# Altium PCB SOM Board with RK3399.PcbDoc (part 5 of 5)
Units mil, origin at the board's own origin, x right, y up, seen from the top; angles counter-clockwise.
Board outline 2740.16 x 1968.5 mil, 12 copper layers (Top Layer, GND-1, PWR-1, PWR-2, GND-2, L1, GND-3, L2, GND-4, L3, GND-5, Bottom Layer), stack 70.898 mil thick; 567 components, 532 nets, 5770 pads, 0 vias.
Unrouted connection lines stored in the file: 2231.
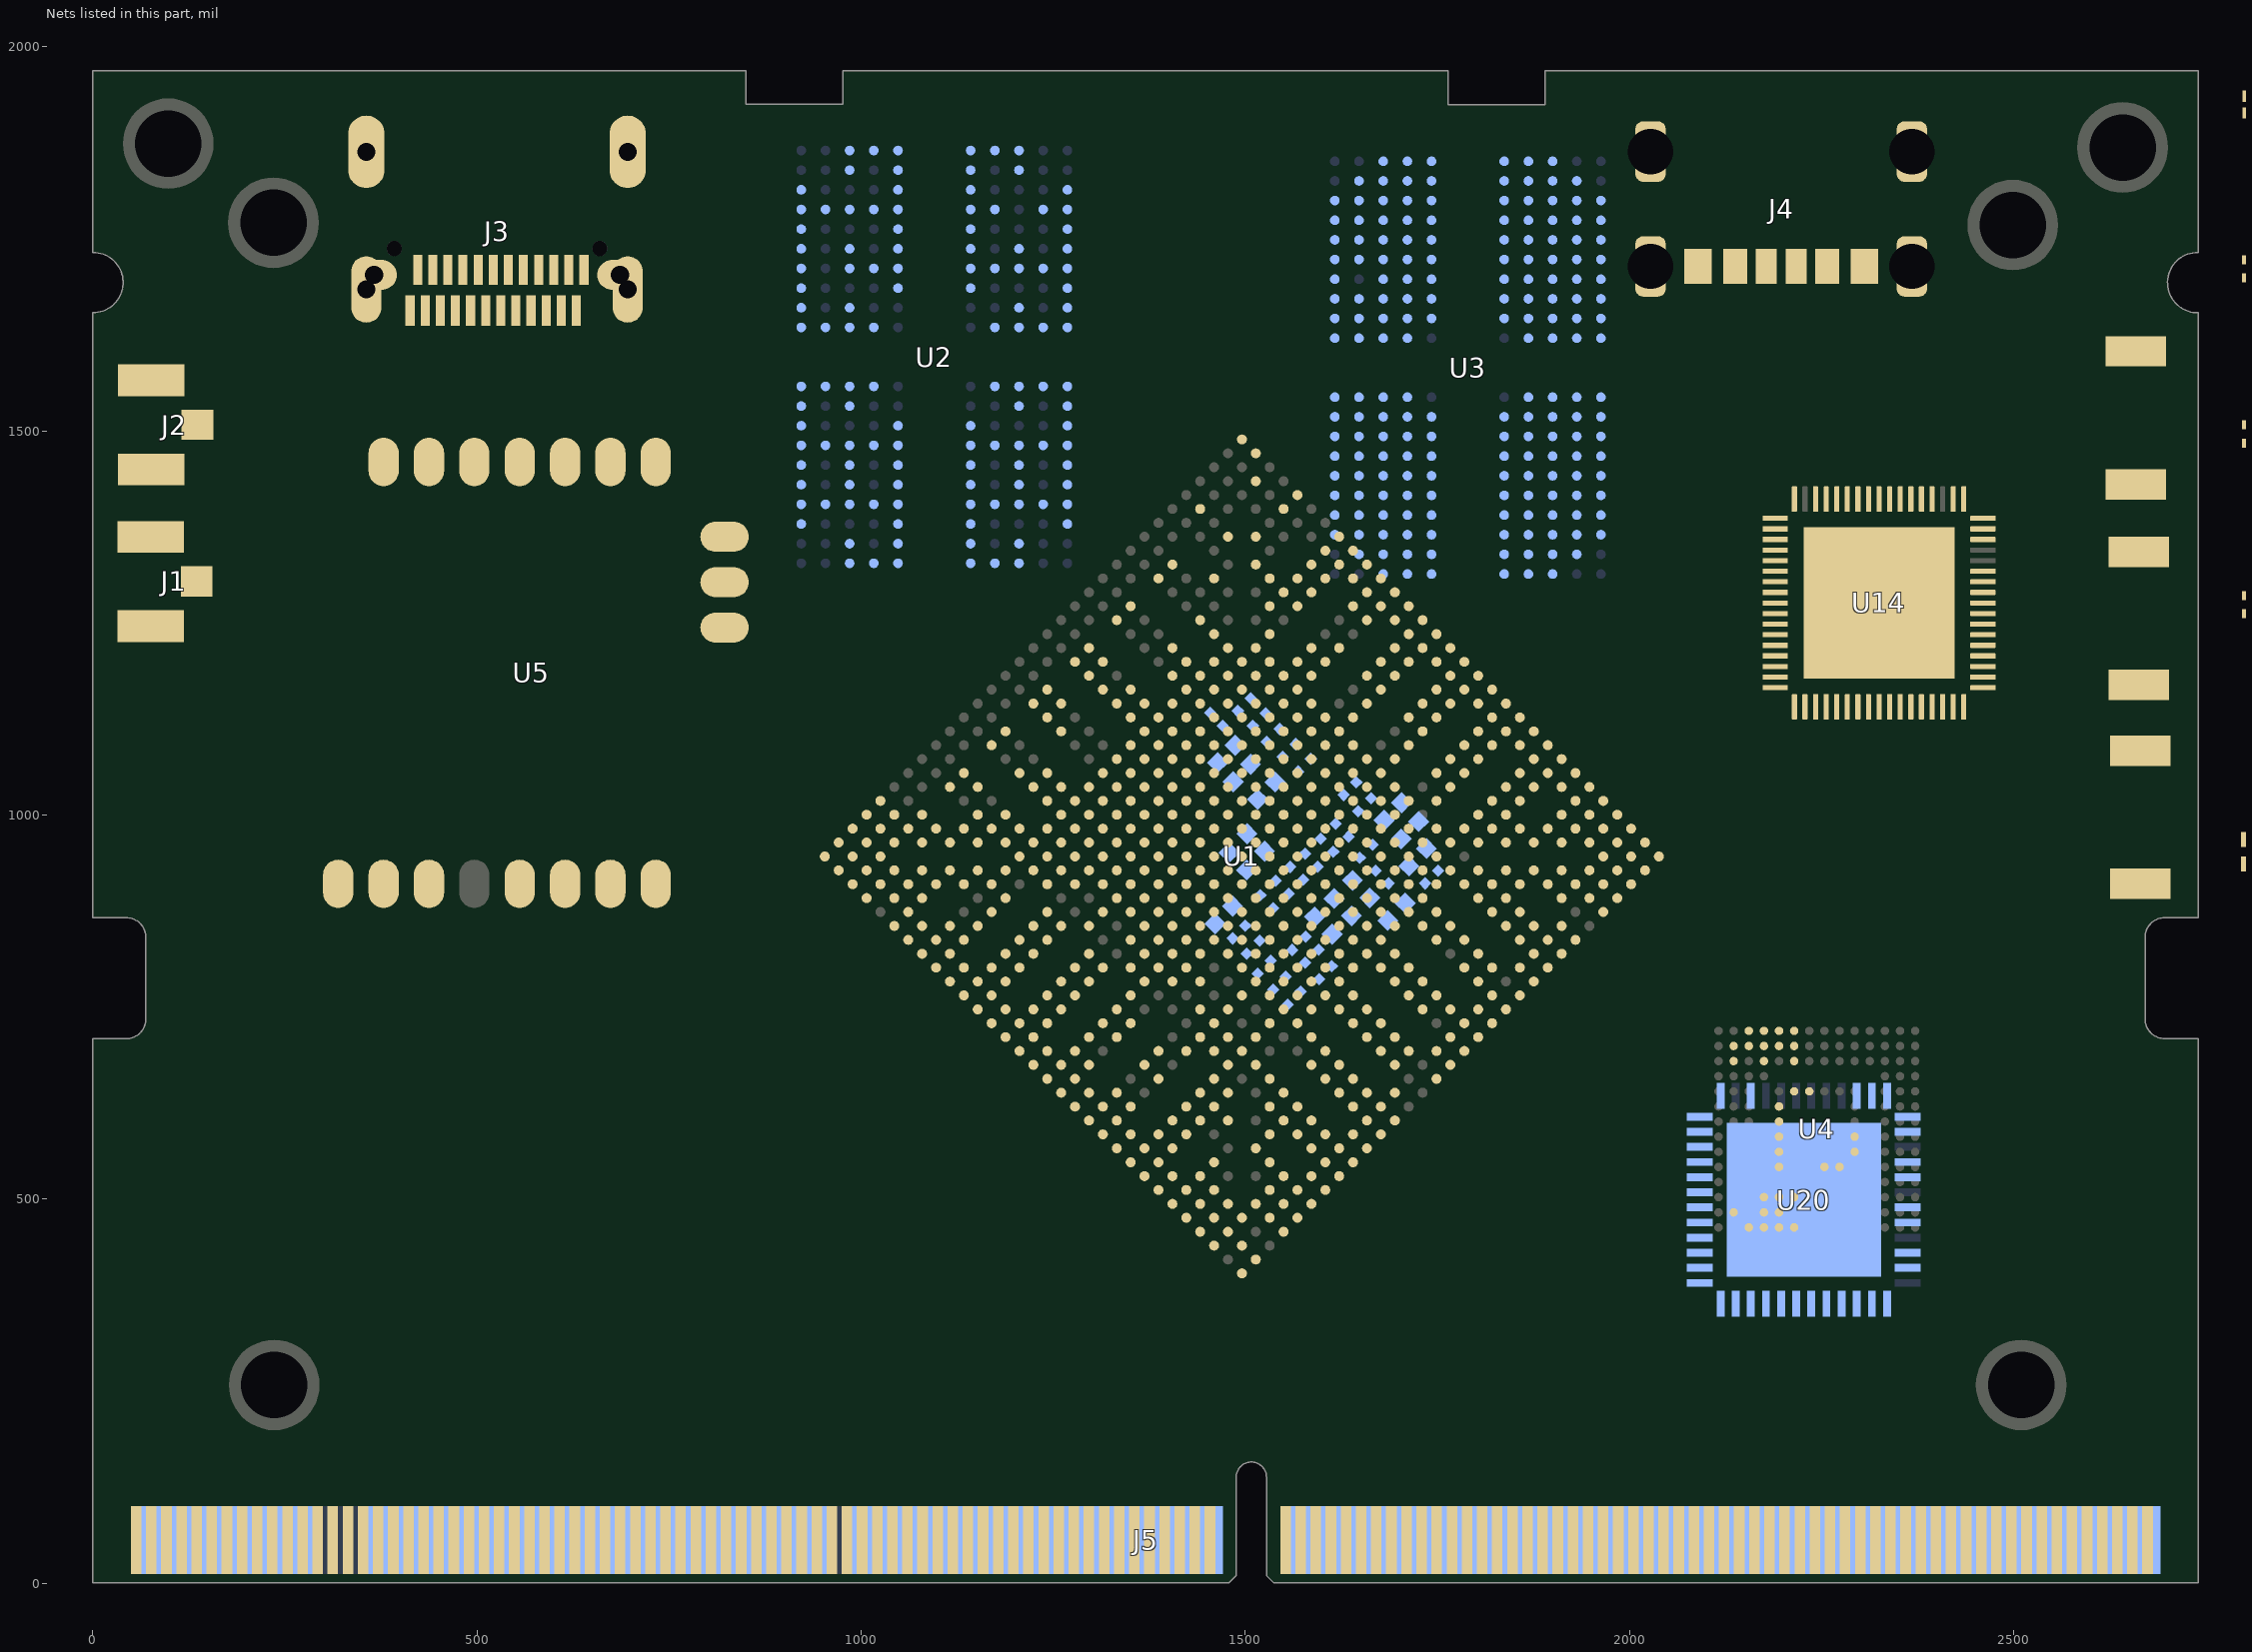
[diagram p12: the nets of this part, all layers, seen from the top]

## Nets (pads, with @x,y where several pads share a name; then routed paths per layer and width w, separated by ;. In a path a pad name is that pad's centre, name@x,y a point inside that pad or via, vN(x,y) a via of type N, cw(c..) or ccw(c..) an arc to the next point about the centre after c; other vN are vias at no path point) (continued)
DDR0_DQS1_P: U1.AC4 U2.D10
DDR0_DQS2_N: U1.V4 U2.V3
DDR0_DQS2_P: U1.U4 U2.W3
DDR0_DQS3_N: U1.R4 U2.V10
DDR0_DQS3_P: U1.P4 U2.W10
DDR0_RST: U1.L7 U2.T11
DDR1_A0: U1.B10 U3.H2 U3.R2
DDR1_A1: U1.A10 U3.J2 U3.P2
DDR1_A2: U1.B9 U3.H9 U3.R9
DDR1_A3: U1.A9 U3.H10 U3.R10
DDR1_A4: U1.B8 U3.H11 U3.R11
DDR1_A5: U1.A8 U3.J11 U3.P11
DDR1_CKE0: U1.A5 U3.J4 U3.P4
DDR1_CKE1: U1.E6 U3.J5 U3.P5
DDR1_CLK1_N: U1.E8 U3.P9
DDR1_CLK1_P: U1.E9 U3.P8
DDR1_CLK_N: U1.D8 U3.J9
DDR1_CLK_P: U1.D9 U3.J8
DDR1_CS0N: U1.F12 U3.H4
DDR1_CS1N: U1.A2 U3.H3
DDR1_CS2N: U1.F11 U3.R4
DDR1_CS3N: U1.B3 U3.R3
DDR1_D0: U1.B15 U3.B2
DDR1_D1: U1.A15 U3.C2
DDR1_D2: U1.B16 U3.E2
DDR1_D3: U1.A16 U3.F2
DDR1_D4: U1.B17 U3.F4
DDR1_D5: U1.A17 U3.E4
DDR1_D6: U1.A18 U3.C4
DDR1_D7: U1.B18 U3.B4
DDR1_D8: U1.B11 U3.B11
DDR1_D9: U1.B12 U3.C11
DDR1_D10: U1.A11 U3.E11
DDR1_D11: U1.B13 U3.F11
DDR1_D12: U1.A12 U3.F9
DDR1_D13: U1.A13 U3.E9
DDR1_D14: U1.A14 U3.C9
DDR1_D15: U1.B14 U3.B9
DDR1_D16: U1.A19 U3.AA2
DDR1_D17: U1.B19 U3.Y2
DDR1_D18: U1.A20 U3.V2
DDR1_D19: U1.B20 U3.U2
DDR1_D20: U1.A21 U3.U4
DDR1_D21: U1.B21 U3.V4
DDR1_D22: U1.B22 U3.Y4
DDR1_D23: U1.A22 U3.AA4
DDR1_D24: U1.A23 U3.AA11
DDR1_D25: U1.B23 U3.Y11
DDR1_D26: U1.A24 U3.V11
DDR1_D27: U1.A25 U3.U11
DDR1_D28: U1.B24 U3.U9
DDR1_D29: U1.A26 U3.V9
DDR1_D30: U1.B25 U3.Y9
DDR1_D31: U1.B26 U3.AA9
DDR1_DM0: U1.E17 U3.C3
DDR1_DM1: U1.E14 U3.C10
DDR1_DM2: U1.E20 U3.Y3
DDR1_DM3: U1.E23 U3.Y10
DDR1_DQS0_N: U1.D17 U3.E3
DDR1_DQS0_P: U1.D18 U3.D3
DDR1_DQS1_N: U1.D14 U3.E10
DDR1_DQS1_P: U1.D15 U3.D10
DDR1_DQS2_N: U1.D20 U3.V3
DDR1_DQS2_P: U1.D21 U3.W3
DDR1_DQS3_N: U1.D23 U3.V10
DDR1_DQS3_P: U1.D24 U3.W10
DDR1_RST: U1.G11 U3.T11
DVDD1V0_RGMII: C341.2 C342.2 R113.2 U20.28 U20.36
DVDD3V3_RGMII: C337.2 C348.2 C349.2 C350.2 R110.2 R111.1 R114.2 R115.2 R116.2 R121.2 R124.2 R126.2 R128.2 R129.2 R130.2 R131.2 U20.15 U20.21 U20.37
EDP_TX0_N: C65.1 J5.249
EDP_TX0_P: C64.1 J5.251
EDP_TX1_N: C67.1 J5.243
EDP_TX1_P: C66.1 J5.245
EDP_TX2_N: C69.1 J5.237
EDP_TX2_P: C68.1 J5.239
EDP_TX3_N: C71.1 J5.231
EDP_TX3_P: C70.1 J5.233
EDPAUX_N: J5.257 U1.A28
EDPAUX_P: J5.255 U1.B28
EFUSE_VQPS_EN_H: U1.AK3 U13.3
EMMC_CLKO: R1.2 U4.M5
EMMC_CMD: U1.J31 U4.M6
EMMC_D0: U1.J28 U4.A3
EMMC_D1: U1.J29 U4.A4
EMMC_D2: U1.J30 U4.A5
EMMC_D3: U1.J25 U4.B2
EMMC_D4: U1.J26 U4.B3
EMMC_D5: U1.J27 U4.B4
EMMC_D6: U1.L31 U4.B5
EMMC_D7: U1.K30 U4.B6
EMMC_RST: C208.2 R50.1 U4.K5
EMMC_STRB: U1.K31 U4.H5
GND: C1.1 C2.1 C3.1 C4.1 C5.1 C6.1 C7.1 C8.1 C9.1 C10.1 C11.1 C12.1 C13.1 C14.1 C15.1 C16.1 C17.1 C18.1 C19.1 C20.1 C21.1 C22.1 C23.1 C24.1 C25.1 C26.1 C27.1 C28.1 C29.1 C30.1 C31.1 C32.1 C33.1 C34.1 C35.1 C36.1 C37.1 C38.1 C39.1 C40.1 C41.1 C42.1 C43.1 C44.1 C45.1 C46.1 C47.1 C48.1 C49.1 C50.1 C51.1 C52.1 C53.1 C54.1 C55.1 C56.1 C57.1 C58.1 C59.1 C60.1 C61.1 C62.1 C63.1 C72.1 C73.1 C74.1 C75.1 C76.2 C77.1 C78.1 C79.2 C80.1 C81.1 C82.1 C83.1 C84.1 C85.1 C86.1 C87.1 C88.1 C89.1 C90.1 C91.1 C92.1 C93.1 C94.1 C95.1 C96.1 C97.1 C98.1 C99.1 C100.1 C101.1 C102.1 C103.1 C104.1 C105.1 C106.1 C107.1 C108.1 C109.1 C110.1 C111.1 C112.1 C113.1 C114.1 C115.1 C116.1 C117.1 C118.1 C119.1 C120.1 C121.1 C122.1 C123.1 C124.1 C125.1 C126.1 C127.1 C128.1 C129.1 C130.1 C131.1 C132.1 C133.1 C134.1 C135.1 C136.1 C137.1 C138.1 C139.1 C140.1 C141.1 C142.1 C143.1 C144.1 C145.1 C146.1 C147.1 C148.1 C149.1 C150.1 C151.1 C152.1 C153.1 C154.1 C155.1 C156.1 C157.1 C158.1 C159.1 C160.1 C161.1 C162.1 C163.1 C164.1 C165.1 C166.1 C167.1 C168.1 C169.1 C170.1 C171.1 C172.1 C173.1 C174.1 C175.1 C176.1 C177.1 C178.1 C179.1 C180.1 C181.1 C182.1 C183.1 C184.1 C185.1 C186.1 C187.1 C188.1 C189.1 C190.1 C191.1 C192.1 C193.1 C194.1 C195.1 C196.1 C197.1 C198.1 C199.1 C200.1 C201.1 C202.1 C203.1 C204.1 C205.1 C206.1 C207.1 C208.1 C209.1 C210.1 C211.1 C212.1 C213.1 C214.1 C215.1 C216.1 C217.1 C218.1 C219.2 C220.1 C221.1 C222.1 C223.1 C224.1 C225.2 C226.1 C227.1 C228.1 C229.1 C230.1 C231.1 C232.1 C233.1 C234.1 C235.1 C236.1 C237.1 C238.1 C239.1 C240.1 C241.1 C242.1 C243.1 C244.1 C245.1 C246.1 C247.1 C248.1 C249.1 C250.1 C251.1 C252.1 C253.1 C254.1 C255.1 C256.1 C257.1 C258.1 C259.1 C260.1 C261.1 C262.1 C263.1 C264.1 C265.1 C266.1 C267.1 C269.1 C270.1 C271.1 C272.1 C273.2 C274.1 C275.1 C276.1 C277.1 C278.1 C279.1 C280.1 C281.1 C282.2 C283.1 C284.1 C285.1 C286.1 C287.1 C288.1 C289.1 C290.1 C291.1 C292.1 C293.1 C294.2 C295.1 C296.1 C297.1 C298.1 C300.1 C301.1 C302.1 C303.1 C309.1 C310.1 C311.1 C313.1 C314.1 C315.1 C316.1 C317.1 C319.1 C320.1 C321.1 C322.1 C323.1 C324.1 C326.1 C327.1 C328.1 C329.1 C330.1 C331.1 C332.1 C333.1 C334.1 C335.1 C336.1 C337.1 C338.1 C339.1 C340.1 C341.1 C342.1 C343.1 C344.1 C345.1 C346.1 C347.1 C348.1 C349.1 C350.1 C351.1 C352.1 C353.1 C354.1 D1.A D2.A D3.A D6.K D7.A J1.1 J1.3 J2.1 J2.3 J3.A1 J3.A12 J3.B1 J3.B12 J3.S1 J3.S2 J3.S3 J3.S4 J4.A12 J4.B12 J4.E1 J4.E2 J4.E3 J4.E4 J5.9 J5.10 J5.11 J5.12 J5.24 J5.32 J5.35 J5.51 J5.64 J5.65 J5.74 J5.83 J5.86 J5.87 J5.92 J5.96 J5.109 J5.110 J5.113 J5.114 J5.119 J5.120 J5.125 J5.126 J5.131 J5.132 J5.137 J5.138 J5.143 J5.144 J5.146 J5.149 J5.152 J5.155 J5.158 J5.161 J5.164 J5.167 J5.170 J5.173 J5.176 J5.179 J5.182 J5.185 J5.188 J5.191 J5.194 J5.197 J5.200 J5.203 J5.206 J5.209 J5.212 J5.217 J5.218 J5.223 J5.224 J5.229 J5.230 J5.235 J5.236 J5.241 J5.242 J5.247 J5.248 J5.253 J5.254 J5.259 J5.260 Q2.2 Q4.2 Q6.2 R3.1 R5.1 R6.2 R7.2 R8.2 R10.2 R12.2 R13.2 R14.2 R15.2 R16.2 R21.2 R22.2 R38.1 R39.1 R40.1 R41.1 R43.1 R47.1 R53.1 R57.1 R59.2 R66.1 R71.1 R72.1 R75.1 R80.1 R88.1 R92.1 R93.1 R95.1 R96.1 R97.1 R102.1 R103.2 R106.1 R109.1 R118.1 R122.1 R123.1 R125.1 R127.1 SW2.1 SW3.1 U1.A1 U1.A27 U1.A31 U1.AA3 U1.AA5 U1.AA9 U1.AA10 U1.AA11 U1.AA12 U1.AA13 U1.AA14 U1.AA15 U1.AA23 U1.AA26 U1.AA29 U1.AB9 U1.AB10 U1.AB11 U1.AB13 U1.AB15 U1.AB16 U1.AB17 U1.AB19 U1.AB23 U1.AC3 U1.AC11 U1.AC13 U1.AC15 U1.AC16 U1.AC17 U1.AC18 U1.AC20 U1.AC21 U1.AC22 U1.AC23 U1.AC25 U1.AC26 U1.AC29 U1.AD3 U1.AD5 U1.AD10 U1.AD13 U1.AD17 U1.AD21 U1.AD22 U1.AD26 U1.AD29 U1.AE11 U1.AE12 U1.AE14 U1.AE17 U1.AE23 U1.AE27 U1.AF9 U1.AF17 U1.AF18 U1.AF20 U1.AF23 U1.AF24 U1.AF29 U1.AG2 U1.AG29 U1.AH29 U1.AJ5 U1.AJ6 U1.AJ8 U1.AJ9 U1.AJ11 U1.AJ12 U1.AJ14 U1.AJ15 U1.AJ17 U1.AJ18 U1.AJ20 U1.AJ21 U1.AJ23 U1.AJ24 U1.AJ26 U1.AJ27 U1.AJ28 U1.AJ29 U1.AL1 U1.AL31 U1.B5 U1.B31 U1.C8 U1.C9 U1.C11 U1.C12 U1.C14 U1.C15 U1.C17 U1.C18 U1.C20 U1.C21 U1.C23 U1.C24 U1.C26 U1.C28 U1.C29 U1.D5 U1.D29 U1.E2 U1.E4 U1.E7 U1.E12 U1.E15 U1.E18 U1.E21 U1.E24 U1.E31 U1.F8 U1.F15 U1.F18 U1.F20 U1.F21 U1.G5 U1.G9 U1.G18 U1.G27 U1.H3 U1.H9 U1.H10 U1.H11 U1.H12 U1.H13 U1.H15 U1.H16 U1.H17 U1.H18 U1.H19 U1.H26 U1.J3 U1.J6 U1.J7 U1.J8 U1.J9 U1.J10 U1.J21 U1.K8 U1.K9 U1.K10 U1.K12 U1.K14 U1.K16 U1.K18 U1.K20 U1.K22 U1.L3 U1.L6 U1.L8 U1.L11 U1.L12 U1.L13 U1.L14 U1.L15 U1.L16 U1.L20 U1.L22 U1.L27 U1.M3 U1.M8 U1.M10 U1.M16 U1.M23 U1.N8 U1.N13 U1.N14 U1.N15 U1.N16 U1.N17 U1.N19 U1.N21 U1.P3 U1.P6 U1.P7 U1.P8 U1.P10 U1.P11 U1.P12 U1.P16 U1.P17 U1.P19 U1.P21 U1.R3 U1.R5 U1.R6 U1.R14 U1.R15 U1.R16 U1.R18 U1.R21 U1.R23 U1.T8 U1.T10 U1.T16 U1.T18 U1.T19 U1.T21 U1.U3 U1.U8 U1.U11 U1.U12 U1.U14 U1.U15 U1.U16 U1.U19 U1.U21 U1.U22 U1.U23 U1.U29 U1.V3 U1.V5 U1.V8 U1.V10 U1.V17 U1.V23 U1.W8 U1.W9 U1.W13 U1.W17 U1.W18 U1.W19 U1.W21 U1.W22 U1.W23 U1.W30 U1.Y3 U1.Y9 U1.Y10 U1.Y11 U1.Y12 U1.Y13 U1.Y14 U1.Y15 U1.Y16 U1.Y17 U1.Y20 U1.Y23 U1.Y29 U2.A3 U2.A10 U2.AB3 U2.AB5 U2.AB8 U2.AB10 U2.C1 U2.C5 U2.C8 U2.C12 U2.D2 U2.D4 U2.D9 U2.D11 U2.E1 U2.E5 U2.E8 U2.E12 U2.G1 U2.G3 U2.G5 U2.G8 U2.G10 U2.G12 U2.J1 U2.J3 U2.J10 U2.J12 U2.K2 U2.K4 U2.K9 U2.K11 U2.N2 U2.N4 U2.N9 U2.N11 U2.P1 U2.P3 U2.P10 U2.P12 U2.T1 U2.T3 U2.T5 U2.T8 U2.T10 U2.T12 U2.V1 U2.V5 U2.V8 U2.V12 U2.W2 U2.W4 U2.W9 U2.W11 U2.Y1 U2.Y5 U2.Y8 U2.Y12 U3.A3 U3.A10 U3.AB3 U3.AB5 U3.AB8 U3.AB10 U3.C1 U3.C5 U3.C8 U3.C12 U3.D2 U3.D4 U3.D9 U3.D11 U3.E1 U3.E5 U3.E8 U3.E12 U3.G1 U3.G3 U3.G5 U3.G8 U3.G10 U3.G12 U3.J1 U3.J3 U3.J10 U3.J12 U3.K2 U3.K4 U3.K9 U3.K11 U3.N2 U3.N4 U3.N9 U3.N11 U3.P1 U3.P3 U3.P10 U3.P12 U3.T1 U3.T3 U3.T5 U3.T8 U3.T10 U3.T12 U3.V1 U3.V5 U3.V8 U3.V12 U3.W2 U3.W4 U3.W9 U3.W11 U3.Y1 U3.Y5 U3.Y8 U3.Y12 U4.A6 U4.C4 U4.E7 U4.G5 U4.H10 U4.J5 U4.K8 U4.N2 U4.N5 U4.P4 U4.P6 U5.5 U5.7 U5.8 U5.10 U5.14 U6.D1 U7.2 U8.2 U8.7 U9.B2 U9.B3 U9.B4 U9.C1 U9.C2 U9.C3 U9.C4 U10.B2 U10.B3 U10.B4 U10.C1 U10.C2 U10.C3 U10.C4 U11.5 U11.7 U12.5 U12.7 U13.2 U14.21 U14.22 U14.27 U14.28 U14.30 U14.38 U14.40 U14.41 U14.46 U14.57 U14.62 U14.64 U14.69 U15.9 U15.15 U16.2 U17.2 U17.10 U18.2 U19.4 U19.6 U20.47 U20.49 Y1.2 Y2.2 Y2.4 Y4.2 Y4.4
GPIO0_A2: J5.37 U1.N24
GPIO0_A6/PWM3A_IR: J5.49 U1.P25
GPIO0_B5/LED1_OUT: R108.1 U1.P24
GPIO1_A0: J5.34 U1.R25
GPIO1_A1: J5.36 U1.T31
GPIO1_A2_CC_INT_L: U1.R26 U15.5
GPIO1_A3: J5.38 U1.R27
GPIO1_A4: J5.40 U1.R28
GPIO1_B5_TP_RST: J5.82 U1.M24
GPIO1_C2: J5.42 U1.N31
GPIO1_C4_TP_INT: J5.84 U1.M29
GPIO1_C6: J5.44 U1.L25
GPIO1_C7: J5.46 U1.M31
GPIO1_D0: J5.48 U1.L26
GPIO2_A2: J5.39 U1.H30
GPIO2_A3: J5.41 U1.F28
GPIO2_A4: J5.43 U1.H29
GPIO2_A5: J5.45 U1.F29
GPIO2_A6: J5.47 U1.H27
GPIO2_B3_CIF_CLKOUTA: J5.111 U1.H31
GPIO4_C0/I2C3_SDA: J5.68 U1.AG6
GPIO4_C1/I2C3_SCL: J5.66 U1.AL2
GPIO4_C5/SPDIF_TX: J5.50 U1.AK1
GPIO4_C6/PWM1: J5.90 U1.AL3
GPIO4_D0_PCB0: R34.1 R38.2 U1.AE6
GPIO4_D1_PCB1: R35.1 R39.2 U1.AK4
GPIO4_D2: U1.AH3 U16.4
GPIO4_D5_LCD_BL_EN: J5.78 R109.2 U1.AJ3
GPIO4_D6_LCD_RST_H: J5.80 U1.AG4
GPU_SLEEP: U1.M25 U10.A1
HDMI_CEC: J5.145 U1.AD7
HDMI_HPD: D1.K J5.147 R5.2 U1.AE15
HDMI_TX0_N: J5.157 U1.AL17
HDMI_TX0_P: J5.159 U1.AK17
HDMI_TX1_N: J5.163 U1.AL18
HDMI_TX1_P: J5.165 U1.AK18
HDMI_TX2_N: J5.169 U1.AL19
HDMI_TX2_P: J5.171 U1.AK19
HDMI_TXCLK_N: J5.151 U1.AL16
HDMI_TXCLK_P: J5.153 U1.AK16
HOST0_D_N: J5.221 U1.AB31
HOST0_D_P: J5.219 U1.AB30
HOST1_D_N: J5.227 U1.AA31
HOST1_D_P: J5.225 U1.AA30
HP_DET_H: J5.76 U1.AH5
I2C1_SCL: J5.53 R37.1 U1.Y6
I2C1_SDA: J5.55 R36.1 U1.AG1
I2C2_SCL: J5.59 R18.1 U1.H25
I2C2_SDA: J5.57 R17.1 U1.G31
I2C4_TPSCL: J5.70 R31.1 U1.P30 U15.6
I2C4_TPSDA: J5.72 R32.1 U1.P31 U15.7
I2C7_SCL_HDMI: J5.61 R19.1 U1.H28
I2C7_SDA_HDMI: J5.63 R20.1 U1.G30
I2C_SCL_PMIC: R30.1 U1.N30 U9.A3 U10.A3 U14.19
I2C_SDA_PMIC: R33.1 U1.M26 U9.B1 U10.B1 U14.18
I2S0_LRCK_RX: J5.69 U1.AF4
I2S0_LRCK_TX: J5.71 U1.AJ2
I2S0_SCLK: J5.67 U1.AG3
I2S0_SDI0: J5.73 U1.Y7
I2S0_SDI1SDO3: J5.75 U1.AE5
I2S0_SDI2SDO2: J5.77 U1.AA6
I2S0_SDI3SDO1: J5.79 U1.AH2
I2S0_SDO0: J5.81 U1.AH1
I2S1_LRCK_RX: J5.91 U1.AA7
I2S1_LRCK_TX: J5.93 U1.AJ1
I2S1_SCLK: J5.89 U1.AF3
I2S1_SDI0: J5.95 U1.AD6
I2S1_SDO0: J5.97 U1.AC6
I2S_CLK: J5.85 U1.AC7
LAN_LED0_AD0: J5.232 R121.1 U20.34
LAN_LED0_AD1: J5.234 R122.2 U20.35
LED2_RXDLY: R127.2 R128.1 U20.32
LOG_DVS_PWM: R68.1 R70.2 U1.M28
MAC_COL: R124.1 U1.D27 U20.33
MAC_CRS: C345.2 R116.1 U1.B27 U20.29
MAC_MCLK: R27.2 R117.1
MAC_MDC: U1.E29 U20.30
MAC_MDIO: R114.1 U1.G26 U20.31
MAC_RXCLK: R119.1 U1.F25
MAC_RXD0: R129.1 U1.E26 U20.14
MAC_RXD1: R125.2 R126.1 U1.F27 U20.16
MAC_RXD2: R130.1 U1.E30 U20.17
MAC_RXD3: R131.1 U1.E25 U20.18
MAC_RXDV: R123.2 U1.C27 U20.13
MAC_RXER: R115.1 U1.F23 U20.20
MAC_TXCLK: R29.2 R120.1
MAC_TXD0: R25.2 U20.23
MAC_TXD1: R26.2 U20.24
MAC_TXD2: R23.2 U20.25
MAC_TXD3: R24.2 U20.26
MAC_TXEN: R28.2 U20.27
MDI0_N: J5.256 U20.2
MDI0_P: J5.258 U20.1
MDI1_N: J5.250 U20.5
MDI1_P: J5.252 U20.4
MDI2_N: J5.244 U20.8
MDI2_P: J5.246 U20.7
MDI3_N: J5.238 U20.11
MDI3_P: J5.240 U20.10
MIPI_CSI0_PWM: J5.101 U1.AF8
MIPI_CSI0_RST: J5.99 U1.AD9
MIPI_CSI1_PWN: J5.105 U1.V26
MIPI_CSI1_RST: J5.103 U1.U28
MIPI_RX0_CLK_N: J5.127 U1.AL13
MIPI_RX0_CLK_P: J5.129 U1.AK13
MIPI_RX0_D0_N: J5.139 U1.AL15
MIPI_RX0_D0_P: J5.141 U1.AK15
MIPI_RX0_D1_N: J5.133 U1.AL14
MIPI_RX0_D1_P: J5.135 U1.AK14
MIPI_RX0_D2_N: J5.121 U1.AL12
MIPI_RX0_D2_P: J5.123 U1.AK12
MIPI_RX0_D3_N: J5.115 U1.AL11
MIPI_RX0_D3_P: J5.117 U1.AK11
MIPI_TX0_CLK_N: J5.160 U1.AH12
MIPI_TX0_CLK_P: J5.162 U1.AG12
MIPI_TX0_D0_N: J5.172 U1.AH15
MIPI_TX0_D0_P: J5.174 U1.AG15
MIPI_TX0_D1_N: J5.166 U1.AH14
MIPI_TX0_D1_P: J5.168 U1.AG14
MIPI_TX0_D2_N: J5.154 U1.AH11
MIPI_TX0_D2_P: J5.156 U1.AG11
MIPI_TX0_D3_N: J5.148 U1.AH9
MIPI_TX0_D3_P: J5.150 U1.AG9
MIPI_TX1/RX1_CLK_N: J5.128 U1.AL8
MIPI_TX1/RX1_CLK_P: J5.130 U1.AK8
MIPI_TX1/RX1_D0_N: J5.116 U1.AL6
MIPI_TX1/RX1_D0_P: J5.118 U1.AK6
MIPI_TX1/RX1_D1_N: J5.122 U1.AL7
MIPI_TX1/RX1_D1_P: J5.124 U1.AK7
MIPI_TX1/RX1_D2_N: J5.134 U1.AL9
MIPI_TX1/RX1_D2_P: J5.136 U1.AK9
MIPI_TX1/RX1_D3_N: J5.140 U1.AL10
MIPI_TX1/RX1_D3_P: J5.142 U1.AK10
NetC60_2: C60.2 R4.1 U1.AH26
NetC64_2: C64.2 U1.B29
NetC65_2: C65.2 U1.A29
NetC66_2: C66.2 U1.B30
NetC67_2: C67.2 U1.A30
NetC68_2: C68.2 U1.C30
NetC69_2: C69.2 U1.C31
NetC70_2: C70.2 U1.D30
NetC71_2: C71.2 U1.D31
NetC212_2: C212.2 U4.C2
NetC241_2: C241.2 R60.1 U9.A2
NetC242_2: C242.2 R62.1 U10.A2
NetC248_2: C248.2 R67.2 U11.2
NetC249_2: C249.2 R68.2 R69.2 R71.2
NetC250_2: C250.2 R76.2 U1.T30
NetC251_2: C251.2 R77.2 U1.Y31 Y2.1
NetC252_2: C252.2 R78.1 Y2.3
NetC253_2: C253.2 FB9.2 U1.P18
NetC254_2: C254.2 FB8.2 U1.R17
NetC255_2: C255.2 C256.2 FB10.1 U1.R24 U1.U25
NetC268_1: C268.1 R79.1 R80.2 U14.56
NetC272_2: C272.2 U14.37
NetC282_1: C282.1 U14.65 Y3.2
NetC294_1: C294.1 R81.2 Y3.1
NetC295_2: C295.2 D5.K D6.A R83.1 R86.2 U14.51
NetC299_2: C299.2 R87.2
NetC304_2: C304.2 J3.A8 R93.2 R94.2
NetC305_2: C305.2 J3.B8 R91.2 R92.2
NetC306_2: C306.2 J3.A3
NetC307_2: C307.2 J3.A2
NetC308_2: C308.2 J3.B3
NetC312_2: C312.2 J3.B2
NetC318_1: C318.1 L9.1 U17.7
NetC318_2: C318.2 R98.2
NetC319_2: C319.2 C320.2 C321.2 Q5.5 R99.2 U17.1
NetC325_2: C325.2 Q5.4 R100.2 R102.2
NetC326_2: C326.2 R104.1 U17.9
NetC330_2: C330.2 U17.6 U18.1 U18.3
NetC354_2: C354.2 R132.1 Y4.3
NetD2_K: D2.K R9.1 U1.AK30
NetD3_K: D3.K R11.1 U1.AK31
NetDS1_A: DS1.A R107.1
NetDS1_K: DS1.K Q6.3
NetFB2_1: FB2.1 U1.R8
NetFB3_1: FB3.1 U1.H14
NetFB4_1: FB4.1 U1.M7
NetFB5_1: FB5.1 U1.G12
NetJ1_2: J1.2 U5.9
NetJ2_2: J2.2 U5.6
NetJ4_A5: J4.A5 R96.2
NetJ4_B5: J4.B5 R97.2
NetL1_1: L1.1 U9.D3 U9.D4 U9.E3 U9.E4
NetL2_1: L2.1 U10.D3 U10.D4 U10.E3 U10.E4
NetL3_1: L3.1 U11.4
NetL4_1: L4.1 U12.4
NetL5_1: L5.1 U14.61
NetL6_2: L6.2 U14.42 U14.43
NetL7_1: L7.1 U14.58
NetL8_2: L8.2 U14.25 U14.26
NetL10_1: L10.1 U19.3
NetL11_1: L11.1 U20.48
NetQ1_1: Q1.1 Q2.3 R73.2
NetQ2_1: Q2.1 R74.1 R75.2
NetQ3_1: Q3.1 Q4.3 R89.2
NetQ6_1: Q6.1 R108.2
NetR1_1: R1.1 U1.L28
NetR2_1: R2.1 U1.V29
NetR3_2: R3.2 U1.L29
NetR6_1: R6.1 U1.AF15
NetR7_1: R7.1 U1.G21
NetR8_1: R8.1 U1.AF12
NetR10_1: R10.1 U1.AC31
NetR12_1: R12.1 U1.AC30
NetR13_1: R13.1 U1.AG18
NetR14_1: R14.1 U1.AG20
NetR15_1: R15.1 U1.AE21
NetR16_1: R16.1 U1.AG21
NetR21_1: R21.1 U1.AF11
NetR22_1: R22.1 U1.AF14
NetR23_1: R23.1 U1.F24
NetR24_1: R24.1 U1.H23
NetR25_1: R25.1 U1.D26
NetR26_1: R26.1 U1.G23
NetR27_1: R27.1 U1.G24
NetR28_1: R28.1 U1.H22
NetR29_1: R29.1 U1.E28
NetR40_2: R40.2 U1.R7
NetR41_2: R41.2 U1.G15
NetR42_1: R42.1 U2.G2
NetR43_2: R43.2 U2.T2
NetR44_2: R44.2 U2.A5
NetR45_2: R45.2 U2.A8
NetR46_1: R46.1 U3.G2
NetR47_2: R47.2 U3.T2
NetR48_2: R48.2 U3.A5
NetR49_2: R49.2 U3.A8
NetR52_1: R52.1 U6.D4
NetR54_1: R54.1 R57.2 U7.3
NetR55_1: R55.1 Y1.1
NetR56_1: R56.1 R58.2 U8.5
NetR58_1: R58.1 R59.1
NetR64_1: R64.1 R69.1 R72.2 U11.6
NetR65_1: R65.1 R66.2 U12.6
NetR77_1: R77.1 R78.2 U1.Y30
NetR81_1: R81.1 U14.66
NetR85_1: R85.1 R87.1 R88.2 U14.34
NetR95_2: R95.2 U16.3
NetR98_1: R98.1 U17.8
NetR99_1: R99.1 U17.12
NetR101_1: R101.1 R103.1 U17.11
NetR104_2: R104.2 U17.3
NetR105_1: R105.1 R106.2 U19.7
NetR117_2: R117.2 U20.46
NetR118_2: R118.2 U20.39
NetR119_2: R119.2 U20.19
NetR120_2: R120.2 U20.22
OTP_OUT_H: R74.2 U1.P26
PCIE_REF_CLK_N: J5.226 U1.AD30
PCIE_REF_CLK_P: J5.228 U1.AD31
PCIE_RX0_N: J5.214 U1.AF31
PCIE_RX0_P: J5.216 U1.AF30
PCIE_RX1_N: J5.202 U1.AH31
PCIE_RX1_P: J5.204 U1.AH30
PCIE_RX2_N: J5.190 U1.AC28
PCIE_RX2_P: J5.192 U1.AC27
PCIE_RX3_N: J5.178 U1.AF28
PCIE_RX3_P: J5.180 U1.AF27
PCIE_TX0_N: J5.220 U1.AE31
PCIE_TX0_P: J5.222 U1.AE30
PCIE_TX1_N: J5.208 U1.AG31
PCIE_TX1_P: J5.210 U1.AG30
PCIE_TX2_N: J5.196 U1.AA28
PCIE_TX2_P: J5.198 U1.AA27
PCIE_TX3_N: J5.184 U1.AD28
PCIE_TX3_P: J5.186 U1.AD27
PMIC_EXT_EN: R101.2 U12.2 U14.55 U19.8
PMIC_INT_L: C297.2 U1.M30 U14.49
PMIC_SLEEP_H: C298.2 Q4.1 U1.R30 U14.50
PWM0_BL: J5.88 U1.AF5
PWR_KEY: J5.14 R86.1 SW3.2
PWR_KEY_L: D5.A U1.V27
RECOVERY: J5.20 R4.2 SW2.2
RESET_IN_H: C296.2 J5.22 Q1.3 SW1.2 U14.6
RESET_L: R76.1 R84.1 U14.20
RTC_BATT_IN: D4.A1 J5.18
RTC_CLKO_SOC: R82.1 U1.U31 U14.68
RTC_CLKO_WIFI: U5.16 Y1.3
SDIO0_CLK: J5.112 U1.AF7
SDIO0_CMD: J5.106 U1.AH6
SDIO0_D0: J5.98 U1.AD8
SDIO0_D1: J5.100 U1.AK5
SDIO0_D2: J5.102 U1.AG7
SDIO0_D3: J5.104 U1.AE8
SDIO0_DETN: J5.108 U1.AL4
SDIO_CLK: U5.17 U6.E4
SDIO_CMD: U5.4 U6.A3
SDIO_D0: U5.3 U6.A4
SDIO_D1: U5.2 U6.B3
SDIO_D2: U5.1 U6.B4
SDIO_D3: U5.18 U6.C3
SDMMC0_CLK: R2.2 U6.E1
SDMMC0_CMD: U1.V25 U6.A2
SDMMC0_D0: U1.Y27 U6.A1
SDMMC0_D1: U1.Y26 U6.B2
SDMMC0_D2: U1.Y28 U6.B1
SDMMC0_D3: U1.U27 U6.C2
SDMMC0_DET_L: R53.2 U1.V28
SDMMC0_VDDPST: C59.2 U1.U26
SPI1_CLK: J5.62 U1.P28
SPI1_CSn0: J5.56 U1.P29
SPI1_RXD/UART4_RX: J5.60 U1.P27
SPI1_TXD/UART4_TX: J5.58 U1.R31
TYPEC0_D_N: J3.A7 J3.B7 U1.AH23
TYPEC0_D_P: J3.A6 J3.B6 U1.AG23
TYPEC0_RX1_N: J3.B10 U1.AL21
TYPEC0_RX1_P: J3.B11 U1.AK21
TYPEC0_RX2_N: J3.A10 U1.AL23
TYPEC0_RX2_P: J3.A11 U1.AK23
TYPEC0_SBU1_DC_N: R91.1 U1.AG17
TYPEC0_SBU1_DC_P: R94.1 U1.AH17
TYPEC0_SBU1_N: C305.1 U1.AL20
TYPEC0_SBU1_P: C304.1 U1.AK20
TYPEC0_TX1_N: C306.1 U1.AK22
TYPEC0_TX1_P: C307.1 U1.AL22
TYPEC0_TX2_N: C308.1 U1.AK24
TYPEC0_TX2_P: C312.1 U1.AL24
TYPEC0_U2VBUSDET: D7.K R9.2 R90.1
TYPEC1_D_N: J5.177 U1.AH24
TYPEC1_D_P: J5.175 U1.AG24
TYPEC1_RX1_N: J5.189 U1.AL25
TYPEC1_RX1_P: J5.187 U1.AK25
TYPEC1_RX2_N: J5.201 U1.AL27
TYPEC1_RX2_P: J5.199 U1.AK27
TYPEC1_SBU1: J5.205 U1.AK29
TYPEC1_SBU1_DC: J5.211 U1.AE24
TYPEC1_SBU2: J5.207 U1.AL29
TYPEC1_SBU2_DC: J5.213 U1.AF25
TYPEC1_TX1_N: J5.183 U1.AK26
TYPEC1_TX1_P: J5.181 U1.AL26
TYPEC1_TX2_N: J5.195 U1.AK28
TYPEC1_TX2_P: J5.193 U1.AL28
TYPEC1_U2VBUSDET: J5.215 R11.2
TYPEC_CC1: C302.2 J3.A5 U15.10 U15.11
TYPEC_CC2: C301.2 J3.B5 U15.1 U15.14
UART2DBG_RX: J5.54 U1.AK2
UART2DBG_TX: J5.52 U1.AJ4
VBUS_TYPEC: C303.2 C310.2 C313.2 J3.A4 J3.A9 J3.B4 J3.B9 R90.2 U15.2 U16.1
VCC1V8_CAM: C284.2 J5.107 U14.31
VCC1V8_LPDDR4_A: C154.2 C155.2 C156.2 C157.2 C158.2 C159.2 C160.2 C161.2 C162.2 FB6.2 U2.F1 U2.F12 U2.G4 U2.G9 U2.T4 U2.T9 U2.U1 U2.U12
VCC1V8_LPDDR4_B: C199.2 C200.2 C201.2 C202.2 C203.2 C204.2 C205.2 C206.2 C207.2 FB7.2 U3.F1 U3.F12 U3.G4 U3.G9 U3.T4 U3.T9 U3.U1 U3.U12
VCC1V8_PMUPLL: C286.2 U14.3
VCC3V0_TOUCH: C285.2 U14.33
VCC3V3_S0: C293.2 U14.11
VCC3V3_S3: C81.2 C85.2 C87.2 C93.2 C209.2 C210.2 C211.2 C292.2 C335.2 C336.2 R110.1 U1.AB18 U1.AB21 U1.J23 U1.Y25 U4.E6 U4.F5 U4.J10 U4.K9 U14.7
VCC3V3_S5: C279.2 C280.2 C327.2 C328.2 C329.2 D4.A2 R83.2 U14.35 U14.36 U14.52 U14.53 U18.5
VCC3V3_SYS: C218.2 C223.2 C228.2 C229.2 C230.2 C231.2 C232.2 C233.2 C243.2 C244.2 C246.2 C257.2 C259.2 C260.2 C261.2 C262.2 C263.2 C264.2 C273.1 C274.2 C275.2 C276.2 C277.2 C278.2 C309.2 C333.2 C334.2 J5.21 J5.23 J5.25 J5.27 J5.33 L10.2 Q1.2 R54.2 R73.1 R89.1 R105.2 SW1.1 U6.C1 U7.1 U9.D1 U9.D2 U9.E1 U9.E2 U10.D1 U10.D2 U10.E1 U10.E2 U11.3 U12.3 U13.1 U14.1 U14.4 U14.8 U14.10 U14.13 U14.16 U14.23 U14.24 U14.32 U14.44 U14.45 U14.59 U14.60 U15.4 U19.5
VCC5V0_CORE: C331.2 C332.2 U19.2
VCC5V0_SYS: C225.1 C311.2 C314.2 C322.2 C323.2 C324.2 J5.13 J5.15 J5.17 J5.19 L9.2 R107.2 U8.1 U8.6 U15.12 U15.13 U16.5 U17.5
VCC_0V9: C56.2 C62.2 C72.2 C73.2 C77.2 C79.1 C82.2 C83.2 C247.2 FB2.2 FB3.2 FB8.1 L4.2 R65.2 U1.AA16 U1.AA17 U1.H20 U1.L24 U1.T24 U1.V24 U1.W24 U1.Y18 U1.Y19 U1.Y21 U1.Y22
VCC_1V5: C94.2 C98.2 C290.2 U1.AC8 U1.N23 U14.2
VCC_1V8: C57.2 C63.2 C74.2 C75.2 C76.1 C78.2 C80.2 C84.2 C86.2 C88.2 C89.2 C90.2 C91.2 C92.2 C96.2 C213.2 C214.2 C215.2 C265.2 FB1.1 FB9.1 FB10.2 J5.29 J5.31 L5.2 R17.2 R18.2 R19.2 R20.2 R50.2 R60.2 R62.2 R67.1 R82.2 R84.2 U1.AA18 U1.AA21 U1.AB8 U1.AB12 U1.AB14 U1.AC10 U1.AD16 U1.J19 U1.J20 U1.J22 U1.J24 U1.K23 U1.K24 U1.U24 U1.Y24 U4.C6 U4.M4 U4.N4 U4.P3 U4.P5 U14.63
VCC_3V0: C95.2 C97.2 C281.2 C291.2 R30.2 R31.2 R32.2 R33.2 R34.2 R35.2 R70.1 U1.AC9 U1.P23 U14.15 U14.17
VCC_DDR: C100.2 C101.2 C102.2 C103.2 C104.2 C105.2 C106.2 C107.2 C108.2 C109.2 C110.2 C111.2 C112.2 C113.2 C114.2 C115.2 C116.2 C117.2 C118.2 C119.2 C120.2 C121.2 C122.2 C123.2 C124.2 C125.2 C126.2 C127.2 C128.2 C129.2 C130.2 C131.2 C132.2 C133.2 C134.2 C135.2 C163.2 C164.2 C165.2 C166.2 C167.2 C168.2 C169.2 C170.2 C171.2 C172.2 C173.2 C174.2 C175.2 C176.2 C177.2 C178.2 C179.2 C180.2 C268.2 C269.2 FB4.2 FB5.2 FB6.1 FB7.1 L7.2 Q3.3 R79.2 U1.J11 U1.J12 U1.J13 U1.J14 U1.J15 U1.J16 U1.J17 U1.J18 U1.K11 U1.K13 U1.K15 U1.K17 U1.L9 U1.L10 U1.M9 U1.N9 U1.N10 U1.P9 U1.R9 U1.R10 U1.T9 U1.U9 U1.U10 U1.V9 U2.A4 U2.A9 U2.AB4 U2.AB9 U2.F5 U2.F8 U2.H1 U2.H5 U2.H8 U2.H12 U2.K1 U2.K3 U2.K10 U2.K12 U2.N1 U2.N3 U2.N10 U2.N12 U2.R1 U2.R5 U2.R8 U2.R12 U2.U5 U2.U8 U3.A4 U3.A9 U3.AB4 U3.AB9 U3.F5 U3.F8 U3.H1 U3.H5 U3.H8 U3.H12 U3.K1 U3.K3 U3.K10 U3.K12 U3.N1 U3.N3 U3.N10 U3.N12 U3.R1 U3.R5 U3.R8 U3.R12 U3.U5 U3.U8
VCC_DDRC: C136.2 C137.2 C138.2 C139.2 C140.2 C141.2 C142.2 C143.2 C144.2 C145.2 C146.2 C147.2 C148.2 C149.2 C150.2 C151.2 C152.2 C153.2 C181.2 C182.2 C183.2 C184.2 C185.2 C186.2 C187.2 C188.2 C189.2 C190.2 C191.2 C192.2 C193.2 C194.2 C195.2 C196.2 C197.2 C198.2 C300.2 Q3.2 R42.2 R44.1 R45.1 R46.2 R48.1 R49.1 U2.AA3 U2.AA5 U2.AA8 U2.AA10 U2.B3 U2.B5 U2.B8 U2.B10 U2.D1 U2.D5 U2.D8 U2.D12 U2.F3 U2.F10 U2.U3 U2.U10 U2.W1 U2.W5 U2.W8 U2.W12 U3.AA3 U3.AA5 U3.AA8 U3.AA10 U3.B3 U3.B5 U3.B8 U3.B10 U3.D1 U3.D5 U3.D8 U3.D12 U3.F3 U3.F10 U3.U3 U3.U10 U3.W1 U3.W5 U3.W8 U3.W12
VCC_EFUSE: C258.2 U1.AD23 U13.5
VCC_IN_CONN: C299.1 C315.2 C316.2 C317.2 C325.1 J4.A9 J4.B9 J5.1 J5.2 J5.3 J5.4 J5.5 J5.6 J5.7 J5.8 Q5.1 Q5.2 Q5.3 R100.1
VCC_RTC: C283.2 D4.K U14.9
VCC_SDIO: C58.2 C288.2 U1.T23 U14.12
VCC_WIFI: C219.1 C220.2 C221.2 C222.2 R56.2 U5.15 U8.4
VCCA1V8_CODEC: C99.2 C287.2 R36.2 R37.2 U1.AA8 U1.Y8 U14.5
VCCA3V0_CODEC: C289.2 U14.14
VCCA_1V8: C61.2 FB1.2 U1.AC24
VDC_ONOFF: J5.16 R85.2
VDD1V0_RGMII: C351.2 C352.2 L11.2 R112.1 R113.1
VDD_CENTER: C5.2 C14.2 C15.2 C16.2 C17.2 C18.2 C19.2 C20.2 C21.2 C266.2 C267.2 L6.1 U1.M11 U1.M12 U1.M13 U1.M14 U1.M15 U1.N11 U1.N12 U1.P13 U1.P14 U1.P15 U14.39
VDD_CPU_B: C1.2 C30.2 C31.2 C32.2 C33.2 C34.2 C35.2 C36.2 C37.2 C38.2 C39.2 C234.2 C235.2 C236.2 C237.2 L1.2 R61.2 U1.K19 U1.K21 U1.L18 U1.L19 U1.L21 U1.L23 U1.M18 U1.M19 U1.M20 U1.M21 U1.M22 U1.N20 U1.N22
VDD_CPU_B_FB: R61.1 U1.N18 U9.A4
VDD_CPU_L: C2.2 C22.2 C23.2 C24.2 C25.2 C26.2 C27.2 C28.2 C29.2 C270.2 C271.2 L8.1 U1.P20 U1.P22 U1.R19 U1.R20 U1.R22 U1.T20 U1.T22 U14.29
VDD_GPU: C4.2 C40.2 C41.2 C42.2 C43.2 C44.2 C45.2 C46.2 C47.2 C48.2 C49.2 C50.2 C51.2 C52.2 C53.2 C54.2 C55.2 C238.2 C239.2 C240.2 L2.2 R63.1 U1.R11 U1.R12 U1.R13 U1.T11 U1.T12 U1.T13 U1.T14 U1.U13 U1.V11 U1.V12 U1.V13 U1.V14 U1.V15 U1.V16 U1.W10 U1.W11 U1.W12 U1.W14 U1.W15 U1.W16
VDD_GPU_FB: R63.2 U1.T15 U10.A4
VDD_LOG: C3.2 C6.2 C7.2 C8.2 C9.2 C10.2 C11.2 C12.2 C13.2 C245.2 L3.2 R64.2 U1.L17 U1.M17 U1.T17 U1.U17 U1.U18 U1.U20 U1.V18 U1.V19 U1.V20 U1.V21 U1.V22 U1.W20
WLANRST_1V8: C216.2 R51.1 U5.12 U5.13
pads on no net: FD1.1 FD2.1 FD3.1 FD4.1 FD5.1 FD6.1 FD7.1 FD8.1 J3. J5.94 MH1.1 MH2.1 MH3.1 MH4.1 MH5.1 MH6.1 U1.A3 U1.A4 U1.A6 U1.A7 U1.AA19 U1.AA20 U1.AA22 U1.AA24 U1.AA25 U1.AB20 U1.AB22 U1.AB24 U1.AC12 U1.AC14 U1.AC19 U1.AD11 U1.AD12 U1.AD14 U1.AD15 U1.AD18 U1.AD19 U1.AD20 U1.AD24 U1.AD25 U1.AE9 U1.AE18 U1.AE20 U1.AE26 U1.AF21 U1.AG8 U1.AH8 U1.AH18 U1.AH20 U1.AH21 U1.AH27 U1.AJ30 U1.AJ31 U1.AL5 U1.AL30 U1.B2 U1.B4 U1.B6 U1.B7 U1.C1 U1.C3 U1.C4 U1.C5 U1.C6 U1.D1 U1.D2 U1.D3 U1.D6 U1.D11 U1.D12 U1.E3 U1.E11 U1.F3 U1.F4 U1.F7 U1.F9 U1.F14 U1.F17 U1.F30 U1.F31 U1.G6 U1.G8 U1.G14 U1.G17 U1.G20 U1.H6 U1.H7 U1.H21 U1.H24 U1.J1 U1.J2 U1.K1 U1.K2 U1.L4 U1.L5 U1.L30 U1.M4 U1.R29 U1.U6 U1.U7 U1.U30 U1.V6 U1.V7 U1.V30 U1.V31 U1.W31 U2.A1 U2.A2 U2.A11 U2.A12 U2.AA1 U2.AA12 U2.AB1 U2.AB2 U2.AB11 U2.AB12 U2.B1 U2.B12 U2.G11 U2.K5 U2.K8 U2.N5 U2.N8 U3.A1 U3.A2 U3.A11 U3.A12 U3.AA1 U3.AA12 U3.AB1 U3.AB2 U3.AB11 U3.AB12 U3.B1 U3.B12 U3.G11 U3.K5 U3.K8 U3.N5 U3.N8 U4.A1 U4.A2 U4.A7 U4.A8 U4.A9 U4.A10 U4.A11 U4.A12 U4.A13 U4.A14 U4.B1 U4.B7 U4.B8 U4.B9 U4.B10 U4.B11 U4.B12 U4.B13 U4.B14 U4.C1 U4.C3 U4.C5 U4.C7 U4.C8 U4.C9 U4.C10 U4.C11 U4.C12 U4.C13 U4.C14 U4.D1 U4.D2 U4.D3 U4.D4 U4.D12 U4.D13 U4.D14 U4.E1 U4.E2 U4.E3 U4.E5 U4.E8 U4.E9 U4.E10 U4.E12 U4.E13 U4.E14 U4.F1 U4.F2 U4.F3 U4.F10 U4.F12 U4.F13 U4.F14 U4.G1 U4.G2 U4.G3 U4.G10 U4.G12 U4.G13 U4.G14 U4.H1 U4.H2 U4.H3 U4.H12 U4.H13 U4.H14 U4.J1 U4.J2 U4.J3 U4.J12 U4.J13 U4.J14 U4.K1 U4.K2 U4.K3 U4.K6 U4.K7 U4.K10 U4.K12 U4.K13 U4.K14 U4.L1 U4.L2 U4.L3 U4.L12 U4.L13 U4.L14 U4.M1 U4.M2 U4.M3 U4.M7 U4.M8 U4.M9 U4.M10 U4.M11 U4.M12 U4.M13 U4.M14 U4.N1 U4.N3 U4.N6 U4.N7 U4.N8 U4.N9 U4.N10 U4.N11 U4.N12 U4.N13 U4.N14 U4.P1 U4.P2 U4.P7 U4.P8 U4.P9 U4.P10 U4.P11 U4.P12 U4.P13 U4.P14 U5.11 U6.D2 U6.D3 U6.E2 U6.E3 U7.4 U8.3 U11.1 U12.1 U13.4 U14.47 U14.48 U14.54 U14.67 U15.3 U15.8 U17.4 U17.13 U18.4 U19.1 U20.12

## Polygon pours and split planes (outlines as drawn)
no net on GND-1 (split plane): 200 vertices, not listed, extent 20.1,20.26 2720.08,1948.57
no net on PWR-1 (split plane): 200 vertices, not listed, extent 20.1,20.26 2720.08,1948.57
no net on PWR-2 (split plane): 200 vertices, not listed, extent 20.1,20.26 2720.08,1948.57
no net on GND-2 (split plane): 200 vertices, not listed, extent 20.1,20.26 2720.08,1948.57
no net on GND-3 (split plane): 200 vertices, not listed, extent 20.1,20.26 2720.08,1948.57
no net on GND-4 (split plane): 200 vertices, not listed, extent 20.1,20.26 2720.08,1948.57
no net on GND-5 (split plane): 200 vertices, not listed, extent 20.1,20.26 2720.08,1948.57

## Silkscreen, mask and mechanical layers (free items; w line width, h text height)
Mechanical 4:
  drawing of 664 lines, arcs and shapes, not listed
Mechanical 5:
  drawing of 520 lines, arcs and shapes, not listed
Mechanical 6:
  lines w0.5: 160.02,846.17 194.02,846.17 194.02,1171.17 160.02,1171.17 160.02,846.17 ; 161.02,1457.17 195.02,1457.17 195.02,1688.17 cw(c217.49,1747.89) 161.02,1718.17 161.02,1457.17 ; 162.02,301.17 cw(c218.49,271.44) 196.02,331.17 196.02,562.17 162.02,562.17 162.02,301.17 ; 170.02,1947.17 cw(c148.05,1904.55) 195.02,1914.17 367.02,1914.17 367.02,1947.17 170.02,1947.17 ; 651.02,1928.17 830.02,1928.17 830.02,1948.17 651.02,1948.17 651.02,1928.17 ; 1000.02,1928.17 1228.02,1928.17 1228.02,1946.17 1000.02,1946.17 1000.02,1928.17 ; 1508.02,1928.17 1736.02,1928.17 1736.02,1946.17 1508.02,1946.17 1508.02,1928.17 ; 1912.02,1928.17 2091.02,1928.17 2091.02,1948.17 1912.02,1948.17 1912.02,1928.17 ; 2373.02,1913.17 2373.02,1946.17 2570.02,1946.17 ccw(c2592,1903.55) 2545.02,1913.17 2373.02,1913.17 ; 2544.02,1453.17 2578.02,1453.17 2578.02,1714.17 cw(c2521.56,1743.89) 2544.02,1684.17 2544.02,1453.17 ; 2546.02,329.17 cw(c2523.56,269.44) 2580.02,299.17 2580.02,560.17 2546.02,560.17 2546.02,329.17 ; 2546.02,845.17 2580.02,845.17 2580.02,1170.17 2546.02,1170.17 2546.02,845.17
Mechanical 7:
  lines w0.5: 2543.02,361.6 2543.02,1653.17 ccw(c2503.59,1653.73) 2504.02,1693.17 cw(c2503.45,1771.67) 2504.02,1850.17 ccw(c2503.06,1889.17) 2504.02,1928.17 1912.02,1928.17 1912.02,1948.17 2582.02,1948.17 2582.02,170.17 2577.02,165.17 2505.02,165.17 cw(c2504,243.17) 2503.02,321.17 ccw(c2502.58,361.6) 2543.02,362.16 ; 158.02,169.17 158.02,1276.17 cw(c128.52,1248.27) 169.02,1251.17 ccw(c197.86,1254) 180.02,1231.17 ccw(c221.02,1255.17) 197.02,1214.17 197.02,361.17 ccw(c237.46,360.61) 237.02,320.17 cw(c236.04,242.17) 235.02,164.17 163.02,164.17 158.02,169.17 ; 158.02,1332.17 158.02,1479.17 cw(c163.83,1444.45) 197.02,1456.17 197.02,1305.17 ccw(c156.96,1287.39) 159.02,1331.17 158.02,1332.17 ; 159.02,1535.17 cw(c163.02,1469.72) 198.02,1525.17 198.02,1652.17 cw(c237.46,1652.73) 237.02,1692.17 ccw(c237.6,1770.67) 237.02,1849.17 cw(c237.98,1888.17) 237.02,1927.17 829.02,1927.17 829.02,1947.17 159.02,1947.17 159.02,1535.17 ; 1001.02,1928.17 1001.02,1946.17 1736.02,1946.17 1736.02,1928.17 1001.02,1928.17
Mechanical 8:
  lines w0.5: 0.02,0.17 1.2,0.17 23.65,0.17 1478.37,0.17 1488.21,10.01 1488.21,137.96 cw(c1507.9,137.96) 1507.9,157.65 cw(c1507.9,137.96) 1527.58,137.96 1527.58,10.01 1537.43,0.17 2716.56,0.17 2738.61,0.17 2740.18,0.17 2740.18,1.74 2740.18,23.79 2740.18,708.83 2696.87,708.83 cw(c2696.87,734.42) 2671.28,734.42 2671.28,840.72 cw(c2696.87,840.72) 2696.87,866.31 2740.18,866.31 2740.18,1653.77 cw(c2739.72,1693.06) 2739.72,1732.37 2740.18,1732.37 2740.18,1787.57 2740.18,1929.3 2740.18,1968.67 2700.81,1968.67 1889.92,1968.67 1889.92,1924.97 1763.82,1924.97 1763.82,1968.57 1763.72,1968.67 976.32,1968.67 976.32,1925.27 850.22,1925.27 850.22,1968.67 39.39,1968.67 0.81,1968.67 0.02,1968.67 0.02,1967.88 0.02,1929.69 0.03,1929.7 ccw(c39.39,1929.1) 0.02,1929.3 0.02,1787.57 0.02,1732.27 0.32,1732.27 cw(c0.32,1693.21) 0.02,1654.17 0.02,866.31 43.33,866.31 cw(c43.33,840.72) 68.92,840.72 68.92,734.42 cw(c43.33,734.42) 43.33,708.83 0.02,708.83 0.02,23.79 0.02,1.35 0.02,0.17

## Text inside footprints (layer, text, board x,y; h text height)
C219: Top Overlay "+" at 7178,5520 h60 r180
C225: Top Overlay "+" at 4090,5520 h60 r180
DS1: Top Overlay "K" at 3758.84,6965.72 h22 r90; Top Overlay "A" at 3755.89,7151.25 h20 r90
J5: Top Layer "1" at 48.06,149.37 h25
U19: Top Overlay "1" at 6319.39,7591.98 h20